# Allegro board LED_FIN.brd (continued)
## Routing (per net, layer and track width the routed paths; a pad name or vN(x,y) marks a point on that pad's centre or on a via; arc(x,y) is an arc through that point) (continued)
COL_OUT_A50: length 259.4
  TOP w0.15: D2290.1 v1(177.25,392.8) ; D3310.1 v1(177.25,324.8) ; D2470.1 v1(177.25,380.8) ; D2710.1 v1(177.25,364.8) ; D3190.1 v1(177.25,332.8) ; D2410.1 v1(177.25,384.8) ; D2530.1 v1(177.25,376.8) ; D3280.1 v1(177.25,326.8) ; D2440.1 v1(177.25,382.8) ; D3340.1 v1(177.25,322.8) ; D2980.1 v1(177.25,346.8) ; D3100.1 v1(177.25,338.8) ; v1(175.95,161.1) R70.1 ; D2920.1 v1(177.25,350.8) ; D2320.1 v1(177.25,390.8) ; D3130.1 v1(177.25,336.8) ; D2590.1 v1(177.25,372.8) ; D3250.1 v1(177.25,328.8) ; D2380.1 v1(177.25,386.8) ; D2650.1 v1(177.25,368.8) ; D3400.1 v1(177.25,318.8) ; D3160.1 v1(177.25,334.8) ; D2350.1 v1(177.25,388.8) ; D3040.1 v1(177.25,342.8) ; D2830.1 v1(177.25,356.8) ; D2500.1 v1(177.25,378.8) ; D2620.1 v1(177.25,370.8) ; D2860.1 v1(177.25,354.8) ; D3010.1 v1(177.25,344.8) ; D2800.1 v1(177.25,358.8) ; D3370.1 v1(177.25,320.8) ; D3220.1 v1(177.25,330.8) ; D2680.1 v1(177.25,366.8) ; D2950.1 v1(177.25,348.8) ; D2770.1 v1(177.25,360.8) ; D2560.1 v1(177.25,374.8) ; D2740.1 v1(177.25,362.8) ; D2890.1 v1(177.25,352.8) ; D3070.1 v1(177.25,340.8)
  BOTTOM w0.15: v1(175.95,161.1) 175.95,317.5 v1(177.25,318.8) v1(177.25,320.8) v1(177.25,322.8) v1(177.25,324.8) v1(177.25,326.8) v1(177.25,328.8) v1(177.25,330.8) v1(177.25,332.8) v1(177.25,334.8) v1(177.25,336.8) v1(177.25,338.8) v1(177.25,340.8) v1(177.25,342.8) v1(177.25,344.8) v1(177.25,346.8) v1(177.25,348.8) v1(177.25,350.8) v1(177.25,352.8) v1(177.25,354.8) v1(177.25,356.8) v1(177.25,358.8) v1(177.25,360.8) v1(177.25,362.8) v1(177.25,364.8) v1(177.25,366.8) v1(177.25,368.8) v1(177.25,370.8) v1(177.25,372.8) v1(177.25,374.8) v1(177.25,376.8) v1(177.25,378.8) v1(177.25,380.8) v1(177.25,382.8) v1(177.25,384.8) v1(177.25,386.8) v1(177.25,388.8) v1(177.25,390.8) v1(177.25,392.8)
COL_OUT_A51: length 259.4
  TOP w0.15: D2559.1 v1(175.25,374.8) ; D2439.1 v1(175.25,382.8) ; D3159.1 v1(175.25,334.8) ; D2619.1 v1(175.25,370.8) ; D2319.1 v1(175.25,390.8) ; D2409.1 v1(175.25,384.8) ; D2349.1 v1(175.25,388.8) ; D3189.1 v1(175.25,332.8) ; D3249.1 v1(175.25,328.8) ; D2829.1 v1(175.25,356.8) ; D3309.1 v1(175.25,324.8) ; D2979.1 v1(175.25,346.8) ; v1(173.95,161.1) R69.1 ; D2589.1 v1(175.25,372.8) ; D2649.1 v1(175.25,368.8) ; D2469.1 v1(175.25,380.8) ; D2949.1 v1(175.25,348.8) ; D2769.1 v1(175.25,360.8) ; D2289.1 v1(175.25,392.8) ; D3339.1 v1(175.25,322.8) ; D3369.1 v1(175.25,320.8) ; D3009.1 v1(175.25,344.8) ; D2379.1 v1(175.25,386.8) ; D2799.1 v1(175.25,358.8) ; D3129.1 v1(175.25,336.8) ; D2859.1 v1(175.25,354.8) ; D2529.1 v1(175.25,376.8) ; D3069.1 v1(175.25,340.8) ; D2919.1 v1(175.25,350.8) ; D2889.1 v1(175.25,352.8) ; D2499.1 v1(175.25,378.8) ; D3279.1 v1(175.25,326.8) ; D3219.1 v1(175.25,330.8) ; D3039.1 v1(175.25,342.8) ; D2679.1 v1(175.25,366.8) ; D3099.1 v1(175.25,338.8) ; D2739.1 v1(175.25,362.8) ; D2709.1 v1(175.25,364.8) ; D3399.1 v1(175.25,318.8)
  BOTTOM w0.15: v1(173.95,161.1) 173.95,317.5 v1(175.25,318.8) v1(175.25,320.8) v1(175.25,322.8) v1(175.25,324.8) v1(175.25,326.8) v1(175.25,328.8) v1(175.25,330.8) v1(175.25,332.8) v1(175.25,334.8) v1(175.25,336.8) v1(175.25,338.8) v1(175.25,340.8) v1(175.25,342.8) v1(175.25,344.8) v1(175.25,346.8) v1(175.25,348.8) v1(175.25,350.8) v1(175.25,352.8) v1(175.25,354.8) v1(175.25,356.8) v1(175.25,358.8) v1(175.25,360.8) v1(175.25,362.8) v1(175.25,364.8) v1(175.25,366.8) v1(175.25,368.8) v1(175.25,370.8) v1(175.25,372.8) v1(175.25,374.8) v1(175.25,376.8) v1(175.25,378.8) v1(175.25,380.8) v1(175.25,382.8) v1(175.25,384.8) v1(175.25,386.8) v1(175.25,388.8) v1(175.25,390.8) v1(175.25,392.8)
COL_OUT_A52: length 259.4
  TOP w0.15: D3398.1 v1(173.25,318.8) ; D2438.1 v1(173.25,382.8) ; D2318.1 v1(173.25,390.8) ; D3068.1 v1(173.25,340.8) ; D2528.1 v1(173.25,376.8) ; D3008.1 v1(173.25,344.8) ; D3218.1 v1(173.25,330.8) ; D2678.1 v1(173.25,366.8) ; v1(171.95,161.1) R68.1 ; D2738.1 v1(173.25,362.8) ; D3368.1 v1(173.25,320.8) ; D2618.1 v1(173.25,370.8) ; D3038.1 v1(173.25,342.8) ; D3158.1 v1(173.25,334.8) ; D2918.1 v1(173.25,350.8) ; D2558.1 v1(173.25,374.8) ; D2408.1 v1(173.25,384.8) ; D3248.1 v1(173.25,328.8) ; D2828.1 v1(173.25,356.8) ; D2858.1 v1(173.25,354.8) ; D3098.1 v1(173.25,338.8) ; D2888.1 v1(173.25,352.8) ; D2378.1 v1(173.25,386.8) ; D2468.1 v1(173.25,380.8) ; D3278.1 v1(173.25,326.8) ; D3188.1 v1(173.25,332.8) ; D3308.1 v1(173.25,324.8) ; D2348.1 v1(173.25,388.8) ; D2798.1 v1(173.25,358.8) ; D2768.1 v1(173.25,360.8) ; D2708.1 v1(173.25,364.8) ; D3128.1 v1(173.25,336.8) ; D2948.1 v1(173.25,348.8) ; D3338.1 v1(173.25,322.8) ; D2588.1 v1(173.25,372.8) ; D2288.1 v1(173.25,392.8) ; D2498.1 v1(173.25,378.8) ; D2978.1 v1(173.25,346.8) ; D2648.1 v1(173.25,368.8)
  BOTTOM w0.15: v1(173.25,392.8) v1(173.25,390.8) v1(173.25,388.8) v1(173.25,386.8) v1(173.25,384.8) v1(173.25,382.8) v1(173.25,380.8) v1(173.25,378.8) v1(173.25,376.8) v1(173.25,374.8) v1(173.25,372.8) v1(173.25,370.8) v1(173.25,368.8) v1(173.25,366.8) v1(173.25,364.8) v1(173.25,362.8) v1(173.25,360.8) v1(173.25,358.8) v1(173.25,356.8) v1(173.25,354.8) v1(173.25,352.8) v1(173.25,350.8) v1(173.25,348.8) v1(173.25,346.8) v1(173.25,344.8) v1(173.25,342.8) v1(173.25,340.8) v1(173.25,338.8) v1(173.25,336.8) v1(173.25,334.8) v1(173.25,332.8) v1(173.25,330.8) v1(173.25,328.8) v1(173.25,326.8) v1(173.25,324.8) v1(173.25,322.8) v1(173.25,320.8) v1(173.25,318.8) 171.95,317.5 v1(171.95,161.1)
COL_OUT_A53: length 259.4
  TOP w0.15: D2707.1 v1(171.25,364.8) ; D3247.1 v1(171.25,328.8) ; D2347.1 v1(171.25,388.8) ; D2377.1 v1(171.25,386.8) ; D2287.1 v1(171.25,392.8) ; D2407.1 v1(171.25,384.8) ; D2527.1 v1(171.25,376.8) ; D2857.1 v1(171.25,354.8) ; v1(169.95,161.1) R67.1 ; D3307.1 v1(171.25,324.8) ; D3397.1 v1(171.25,318.8) ; D2647.1 v1(171.25,368.8) ; D2467.1 v1(171.25,380.8) ; D2947.1 v1(171.25,348.8) ; D3007.1 v1(171.25,344.8) ; D2497.1 v1(171.25,378.8) ; D2797.1 v1(171.25,358.8) ; D3037.1 v1(171.25,342.8) ; D3187.1 v1(171.25,332.8) ; D3367.1 v1(171.25,320.8) ; D3127.1 v1(171.25,336.8) ; D2437.1 v1(171.25,382.8) ; D3157.1 v1(171.25,334.8) ; D2737.1 v1(171.25,362.8) ; D2557.1 v1(171.25,374.8) ; D2977.1 v1(171.25,346.8) ; D2917.1 v1(171.25,350.8) ; D3067.1 v1(171.25,340.8) ; D2767.1 v1(171.25,360.8) ; D2677.1 v1(171.25,366.8) ; D2887.1 v1(171.25,352.8) ; D3217.1 v1(171.25,330.8) ; D2827.1 v1(171.25,356.8) ; D2617.1 v1(171.25,370.8) ; D2587.1 v1(171.25,372.8) ; D2317.1 v1(171.25,390.8) ; D3097.1 v1(171.25,338.8) ; D3277.1 v1(171.25,326.8) ; D3337.1 v1(171.25,322.8)
  BOTTOM w0.15: v1(169.95,161.1) 169.95,317.5 v1(171.25,318.8) v1(171.25,320.8) v1(171.25,322.8) v1(171.25,324.8) v1(171.25,326.8) v1(171.25,328.8) v1(171.25,330.8) v1(171.25,332.8) v1(171.25,334.8) v1(171.25,336.8) v1(171.25,338.8) v1(171.25,340.8) v1(171.25,342.8) v1(171.25,344.8) v1(171.25,346.8) v1(171.25,348.8) v1(171.25,350.8) v1(171.25,352.8) v1(171.25,354.8) v1(171.25,356.8) v1(171.25,358.8) v1(171.25,360.8) v1(171.25,362.8) v1(171.25,364.8) v1(171.25,366.8) v1(171.25,368.8) v1(171.25,370.8) v1(171.25,372.8) v1(171.25,374.8) v1(171.25,376.8) v1(171.25,378.8) v1(171.25,380.8) v1(171.25,382.8) v1(171.25,384.8) v1(171.25,386.8) v1(171.25,388.8) v1(171.25,390.8) v1(171.25,392.8)
COL_OUT_A54: length 259.4
  TOP w0.15: D2946.1 v1(169.25,348.8) ; D2826.1 v1(169.25,356.8) ; D3306.1 v1(169.25,324.8) ; D2856.1 v1(169.25,354.8) ; D2916.1 v1(169.25,350.8) ; D2316.1 v1(169.25,390.8) ; D2526.1 v1(169.25,376.8) ; D2346.1 v1(169.25,388.8) ; D3006.1 v1(169.25,344.8) ; D2766.1 v1(169.25,360.8) ; D3186.1 v1(169.25,332.8) ; D3216.1 v1(169.25,330.8) ; D3336.1 v1(169.25,322.8) ; D3246.1 v1(169.25,328.8) ; D3396.1 v1(169.25,318.8) ; D2646.1 v1(169.25,368.8) ; D2886.1 v1(169.25,352.8) ; D2796.1 v1(169.25,358.8) ; D2676.1 v1(169.25,366.8) ; D3066.1 v1(169.25,340.8) ; D2976.1 v1(169.25,346.8) ; D3126.1 v1(169.25,336.8) ; D2586.1 v1(169.25,372.8) ; D2706.1 v1(169.25,364.8) ; D2286.1 v1(169.25,392.8) ; D2406.1 v1(169.25,384.8) ; D2556.1 v1(169.25,374.8) ; D3276.1 v1(169.25,326.8) ; v1(167.95,161.1) R66.1 ; D2496.1 v1(169.25,378.8) ; D3366.1 v1(169.25,320.8) ; D2436.1 v1(169.25,382.8) ; D2466.1 v1(169.25,380.8) ; D3096.1 v1(169.25,338.8) ; D2616.1 v1(169.25,370.8) ; D2736.1 v1(169.25,362.8) ; D2376.1 v1(169.25,386.8) ; D3036.1 v1(169.25,342.8) ; D3156.1 v1(169.25,334.8)
  BOTTOM w0.15: v1(169.25,392.8) v1(169.25,390.8) v1(169.25,388.8) v1(169.25,386.8) v1(169.25,384.8) v1(169.25,382.8) v1(169.25,380.8) v1(169.25,378.8) v1(169.25,376.8) v1(169.25,374.8) v1(169.25,372.8) v1(169.25,370.8) v1(169.25,368.8) v1(169.25,366.8) v1(169.25,364.8) v1(169.25,362.8) v1(169.25,360.8) v1(169.25,358.8) v1(169.25,356.8) v1(169.25,354.8) v1(169.25,352.8) v1(169.25,350.8) v1(169.25,348.8) v1(169.25,346.8) v1(169.25,344.8) v1(169.25,342.8) v1(169.25,340.8) v1(169.25,338.8) v1(169.25,336.8) v1(169.25,334.8) v1(169.25,332.8) v1(169.25,330.8) v1(169.25,328.8) v1(169.25,326.8) v1(169.25,324.8) v1(169.25,322.8) v1(169.25,320.8) v1(169.25,318.8) 167.95,317.5 v1(167.95,161.1)
COL_OUT_A55: length 259.4
  TOP w0.15: D2375.1 v1(167.25,386.8) ; D2285.1 v1(167.25,392.8) ; D2765.1 v1(167.25,360.8) ; D2615.1 v1(167.25,370.8) ; D2885.1 v1(167.25,352.8) ; v1(165.95,161.1) R65.1 ; D2585.1 v1(167.25,372.8) ; D2735.1 v1(167.25,362.8) ; D2345.1 v1(167.25,388.8) ; D2855.1 v1(167.25,354.8) ; D2645.1 v1(167.25,368.8) ; D2795.1 v1(167.25,358.8) ; D2945.1 v1(167.25,348.8) ; D2525.1 v1(167.25,376.8) ; D3215.1 v1(167.25,330.8) ; D2675.1 v1(167.25,366.8) ; D2465.1 v1(167.25,380.8) ; D3305.1 v1(167.25,324.8) ; D3095.1 v1(167.25,338.8) ; D3125.1 v1(167.25,336.8) ; D2495.1 v1(167.25,378.8) ; D3065.1 v1(167.25,340.8) ; D3395.1 v1(167.25,318.8) ; D3365.1 v1(167.25,320.8) ; D2555.1 v1(167.25,374.8) ; D2825.1 v1(167.25,356.8) ; D2975.1 v1(167.25,346.8) ; D3245.1 v1(167.25,328.8) ; D3275.1 v1(167.25,326.8) ; D3035.1 v1(167.25,342.8) ; D2705.1 v1(167.25,364.8) ; D3005.1 v1(167.25,344.8) ; D2915.1 v1(167.25,350.8) ; D2315.1 v1(167.25,390.8) ; D2435.1 v1(167.25,382.8) ; D2405.1 v1(167.25,384.8) ; D3155.1 v1(167.25,334.8) ; D3335.1 v1(167.25,322.8) ; D3185.1 v1(167.25,332.8)
  BOTTOM w0.15: v1(167.25,392.8) v1(167.25,390.8) v1(167.25,388.8) v1(167.25,386.8) v1(167.25,384.8) v1(167.25,382.8) v1(167.25,380.8) v1(167.25,378.8) v1(167.25,376.8) v1(167.25,374.8) v1(167.25,372.8) v1(167.25,370.8) v1(167.25,368.8) v1(167.25,366.8) v1(167.25,364.8) v1(167.25,362.8) v1(167.25,360.8) v1(167.25,358.8) v1(167.25,356.8) v1(167.25,354.8) v1(167.25,352.8) v1(167.25,350.8) v1(167.25,348.8) v1(167.25,346.8) v1(167.25,344.8) v1(167.25,342.8) v1(167.25,340.8) v1(167.25,338.8) v1(167.25,336.8) v1(167.25,334.8) v1(167.25,332.8) v1(167.25,330.8) v1(167.25,328.8) v1(167.25,326.8) v1(167.25,324.8) v1(167.25,322.8) v1(167.25,320.8) v1(167.25,318.8) 165.95,317.5 v1(165.95,161.1)
COL_OUT_A56: length 259.4
  TOP w0.15: D2314.1 v1(165.25,390.8) ; D3154.1 v1(165.25,334.8) ; D3034.1 v1(165.25,342.8) ; D3274.1 v1(165.25,326.8) ; D2794.1 v1(165.25,358.8) ; D2884.1 v1(165.25,352.8) ; D2944.1 v1(165.25,348.8) ; D2734.1 v1(165.25,362.8) ; D3064.1 v1(165.25,340.8) ; D2704.1 v1(165.25,364.8) ; D3394.1 v1(165.25,318.8) ; D3334.1 v1(165.25,322.8) ; D3184.1 v1(165.25,332.8) ; D3214.1 v1(165.25,330.8) ; D2554.1 v1(165.25,374.8) ; D2674.1 v1(165.25,366.8) ; D2404.1 v1(165.25,384.8) ; D3244.1 v1(165.25,328.8) ; D2914.1 v1(165.25,350.8) ; D3094.1 v1(165.25,338.8) ; D2464.1 v1(165.25,380.8) ; D2824.1 v1(165.25,356.8) ; D2974.1 v1(165.25,346.8) ; D2494.1 v1(165.25,378.8) ; D2854.1 v1(165.25,354.8) ; D2434.1 v1(165.25,382.8) ; D2374.1 v1(165.25,386.8) ; D2524.1 v1(165.25,376.8) ; D2584.1 v1(165.25,372.8) ; D3124.1 v1(165.25,336.8) ; D3004.1 v1(165.25,344.8) ; D2344.1 v1(165.25,388.8) ; D2764.1 v1(165.25,360.8) ; D3304.1 v1(165.25,324.8) ; D2284.1 v1(165.25,392.8) ; D3364.1 v1(165.25,320.8) ; D2614.1 v1(165.25,370.8) ; v1(163.95,161.1) R64.1 ; D2644.1 v1(165.25,368.8)
  BOTTOM w0.15: v1(165.25,392.8) v1(165.25,390.8) v1(165.25,388.8) v1(165.25,386.8) v1(165.25,384.8) v1(165.25,382.8) v1(165.25,380.8) v1(165.25,378.8) v1(165.25,376.8) v1(165.25,374.8) v1(165.25,372.8) v1(165.25,370.8) v1(165.25,368.8) v1(165.25,366.8) v1(165.25,364.8) v1(165.25,362.8) v1(165.25,360.8) v1(165.25,358.8) v1(165.25,356.8) v1(165.25,354.8) v1(165.25,352.8) v1(165.25,350.8) v1(165.25,348.8) v1(165.25,346.8) v1(165.25,344.8) v1(165.25,342.8) v1(165.25,340.8) v1(165.25,338.8) v1(165.25,336.8) v1(165.25,334.8) v1(165.25,332.8) v1(165.25,330.8) v1(165.25,328.8) v1(165.25,326.8) v1(165.25,324.8) v1(165.25,322.8) v1(165.25,320.8) v1(165.25,318.8) 163.95,317.5 v1(163.95,161.1)
COL_OUT_A57: length 259.4
  TOP w0.15: D2673.1 v1(163.25,366.8) ; D3303.1 v1(163.25,324.8) ; D3243.1 v1(163.25,328.8) ; D3003.1 v1(163.25,344.8) ; D2793.1 v1(163.25,358.8) ; D2583.1 v1(163.25,372.8) ; D2553.1 v1(163.25,374.8) ; D3123.1 v1(163.25,336.8) ; D2943.1 v1(163.25,348.8) ; D2463.1 v1(163.25,380.8) ; D2373.1 v1(163.25,386.8) ; D2613.1 v1(163.25,370.8) ; D3393.1 v1(163.25,318.8) ; D2433.1 v1(163.25,382.8) ; D3063.1 v1(163.25,340.8) ; D2523.1 v1(163.25,376.8) ; D2913.1 v1(163.25,350.8) ; v1(161.95,161.1) R63.1 ; D3333.1 v1(163.25,322.8) ; D2703.1 v1(163.25,364.8) ; D3033.1 v1(163.25,342.8) ; D2643.1 v1(163.25,368.8) ; D2283.1 v1(163.25,392.8) ; D2763.1 v1(163.25,360.8) ; D2403.1 v1(163.25,384.8) ; D3183.1 v1(163.25,332.8) ; D2313.1 v1(163.25,390.8) ; D2853.1 v1(163.25,354.8) ; D2493.1 v1(163.25,378.8) ; D2973.1 v1(163.25,346.8) ; D3273.1 v1(163.25,326.8) ; D3093.1 v1(163.25,338.8) ; D3213.1 v1(163.25,330.8) ; D2343.1 v1(163.25,388.8) ; D2823.1 v1(163.25,356.8) ; D3363.1 v1(163.25,320.8) ; D3153.1 v1(163.25,334.8) ; D2733.1 v1(163.25,362.8) ; D2883.1 v1(163.25,352.8)
  BOTTOM w0.15: v1(161.95,161.1) 161.95,317.5 v1(163.25,318.8) v1(163.25,320.8) v1(163.25,322.8) v1(163.25,324.8) v1(163.25,326.8) v1(163.25,328.8) v1(163.25,330.8) v1(163.25,332.8) v1(163.25,334.8) v1(163.25,336.8) v1(163.25,338.8) v1(163.25,340.8) v1(163.25,342.8) v1(163.25,344.8) v1(163.25,346.8) v1(163.25,348.8) v1(163.25,350.8) v1(163.25,352.8) v1(163.25,354.8) v1(163.25,356.8) v1(163.25,358.8) v1(163.25,360.8) v1(163.25,362.8) v1(163.25,364.8) v1(163.25,366.8) v1(163.25,368.8) v1(163.25,370.8) v1(163.25,372.8) v1(163.25,374.8) v1(163.25,376.8) v1(163.25,378.8) v1(163.25,380.8) v1(163.25,382.8) v1(163.25,384.8) v1(163.25,386.8) v1(163.25,388.8) v1(163.25,390.8) v1(163.25,392.8)
COL_OUT_A58: length 259.4
  TOP w0.15: D2912.1 v1(161.25,350.8) ; D2822.1 v1(161.25,356.8) ; D2402.1 v1(161.25,384.8) ; D2732.1 v1(161.25,362.8) ; D2762.1 v1(161.25,360.8) ; D3122.1 v1(161.25,336.8) ; D3152.1 v1(161.25,334.8) ; D3392.1 v1(161.25,318.8) ; D2342.1 v1(161.25,388.8) ; D3032.1 v1(161.25,342.8) ; v1(159.95,161.1) R62.1 ; D3242.1 v1(161.25,328.8) ; D2312.1 v1(161.25,390.8) ; D3272.1 v1(161.25,326.8) ; D2642.1 v1(161.25,368.8) ; D3302.1 v1(161.25,324.8) ; D2432.1 v1(161.25,382.8) ; D2852.1 v1(161.25,354.8) ; D2492.1 v1(161.25,378.8) ; D2672.1 v1(161.25,366.8) ; D2972.1 v1(161.25,346.8) ; D3002.1 v1(161.25,344.8) ; D2702.1 v1(161.25,364.8) ; D2372.1 v1(161.25,386.8) ; D3332.1 v1(161.25,322.8) ; D3182.1 v1(161.25,332.8) ; D2462.1 v1(161.25,380.8) ; D2522.1 v1(161.25,376.8) ; D3362.1 v1(161.25,320.8) ; D3092.1 v1(161.25,338.8) ; D3212.1 v1(161.25,330.8) ; D2282.1 v1(161.25,392.8) ; D2882.1 v1(161.25,352.8) ; D3062.1 v1(161.25,340.8) ; D2552.1 v1(161.25,374.8) ; D2582.1 v1(161.25,372.8) ; D2792.1 v1(161.25,358.8) ; D2942.1 v1(161.25,348.8) ; D2612.1 v1(161.25,370.8)
  BOTTOM w0.15: v1(159.95,161.1) 159.95,317.5 v1(161.25,318.8) v1(161.25,320.8) v1(161.25,322.8) v1(161.25,324.8) v1(161.25,326.8) v1(161.25,328.8) v1(161.25,330.8) v1(161.25,332.8) v1(161.25,334.8) v1(161.25,336.8) v1(161.25,338.8) v1(161.25,340.8) v1(161.25,342.8) v1(161.25,344.8) v1(161.25,346.8) v1(161.25,348.8) v1(161.25,350.8) v1(161.25,352.8) v1(161.25,354.8) v1(161.25,356.8) v1(161.25,358.8) v1(161.25,360.8) v1(161.25,362.8) v1(161.25,364.8) v1(161.25,366.8) v1(161.25,368.8) v1(161.25,370.8) v1(161.25,372.8) v1(161.25,374.8) v1(161.25,376.8) v1(161.25,378.8) v1(161.25,380.8) v1(161.25,382.8) v1(161.25,384.8) v1(161.25,386.8) v1(161.25,388.8) v1(161.25,390.8) v1(161.25,392.8)
COL_OUT_A59: length 259.4
  TOP w0.15: D2641.1 v1(159.25,368.8) ; D2821.1 v1(159.25,356.8) ; D2401.1 v1(159.25,384.8) ; D2731.1 v1(159.25,362.8) ; D2881.1 v1(159.25,352.8) ; D2281.1 v1(159.25,392.8) ; D3001.1 v1(159.25,344.8) ; D2341.1 v1(159.25,388.8) ; D3151.1 v1(159.25,334.8) ; D3181.1 v1(159.25,332.8) ; D3361.1 v1(159.25,320.8) ; D2461.1 v1(159.25,380.8) ; D3271.1 v1(159.25,326.8) ; D2941.1 v1(159.25,348.8) ; D3031.1 v1(159.25,342.8) ; D2581.1 v1(159.25,372.8) ; D2851.1 v1(159.25,354.8) ; D2791.1 v1(159.25,358.8) ; D2371.1 v1(159.25,386.8) ; D3301.1 v1(159.25,324.8) ; D2551.1 v1(159.25,374.8) ; D3331.1 v1(159.25,322.8) ; D3391.1 v1(159.25,318.8) ; D3241.1 v1(159.25,328.8) ; D2671.1 v1(159.25,366.8) ; D2911.1 v1(159.25,350.8) ; D2701.1 v1(159.25,364.8) ; D3121.1 v1(159.25,336.8) ; D2611.1 v1(159.25,370.8) ; v1(157.95,161.1) R61.1 ; D3061.1 v1(159.25,340.8) ; D2761.1 v1(159.25,360.8) ; D2971.1 v1(159.25,346.8) ; D2311.1 v1(159.25,390.8) ; D2431.1 v1(159.25,382.8) ; D2521.1 v1(159.25,376.8) ; D3091.1 v1(159.25,338.8) ; D2491.1 v1(159.25,378.8) ; D3211.1 v1(159.25,330.8)
  BOTTOM w0.15: v1(157.95,161.1) 157.95,317.5 v1(159.25,318.8) v1(159.25,320.8) v1(159.25,322.8) v1(159.25,324.8) v1(159.25,326.8) v1(159.25,328.8) v1(159.25,330.8) v1(159.25,332.8) v1(159.25,334.8) v1(159.25,336.8) v1(159.25,338.8) v1(159.25,340.8) v1(159.25,342.8) v1(159.25,344.8) v1(159.25,346.8) v1(159.25,348.8) v1(159.25,350.8) v1(159.25,352.8) v1(159.25,354.8) v1(159.25,356.8) v1(159.25,358.8) v1(159.25,360.8) v1(159.25,362.8) v1(159.25,364.8) v1(159.25,366.8) v1(159.25,368.8) v1(159.25,370.8) v1(159.25,372.8) v1(159.25,374.8) v1(159.25,376.8) v1(159.25,378.8) v1(159.25,380.8) v1(159.25,382.8) v1(159.25,384.8) v1(159.25,386.8) v1(159.25,388.8) v1(159.25,390.8) v1(159.25,392.8)
COL_OUT_A60: length 259.4
  TOP w0.15: D1710.1 v1(157.25,356.8) ; v1(155.95,161.1) R60.1 ; D1200.1 v1(157.25,390.8) ; D1290.1 v1(157.25,384.8) ; D1950.1 v1(157.25,340.8) ; D2010.1 v1(157.25,336.8) ; D2160.1 v1(157.25,326.8) ; D1350.1 v1(157.25,380.8) ; D2100.1 v1(157.25,330.8) ; D1500.1 v1(157.25,370.8) ; D1260.1 v1(157.25,386.8) ; D1800.1 v1(157.25,350.8) ; D1620.1 v1(157.25,362.8) ; D1830.1 v1(157.25,348.8) ; D2070.1 v1(157.25,332.8) ; D1230.1 v1(157.25,388.8) ; D1320.1 v1(157.25,382.8) ; D2250.1 v1(157.25,320.8) ; D1680.1 v1(157.25,358.8) ; D1890.1 v1(157.25,344.8) ; D1860.1 v1(157.25,346.8) ; D1740.1 v1(157.25,354.8) ; D2220.1 v1(157.25,322.8) ; D2040.1 v1(157.25,334.8) ; D1980.1 v1(157.25,338.8) ; D1770.1 v1(157.25,352.8) ; D1470.1 v1(157.25,372.8) ; D1920.1 v1(157.25,342.8) ; D1650.1 v1(157.25,360.8) ; D1590.1 v1(157.25,364.8) ; D1440.1 v1(157.25,374.8) ; D1170.1 v1(157.25,392.8) ; D2130.1 v1(157.25,328.8) ; D2190.1 v1(157.25,324.8) ; D2280.1 v1(157.25,318.8) ; D1530.1 v1(157.25,368.8) ; D1380.1 v1(157.25,378.8) ; D1410.1 v1(157.25,376.8) ; D1560.1 v1(157.25,366.8)
  BOTTOM w0.15: v1(157.25,392.8) v1(157.25,390.8) v1(157.25,388.8) v1(157.25,386.8) v1(157.25,384.8) v1(157.25,382.8) v1(157.25,380.8) v1(157.25,378.8) v1(157.25,376.8) v1(157.25,374.8) v1(157.25,372.8) v1(157.25,370.8) v1(157.25,368.8) v1(157.25,366.8) v1(157.25,364.8) v1(157.25,362.8) v1(157.25,360.8) v1(157.25,358.8) v1(157.25,356.8) v1(157.25,354.8) v1(157.25,352.8) v1(157.25,350.8) v1(157.25,348.8) v1(157.25,346.8) v1(157.25,344.8) v1(157.25,342.8) v1(157.25,340.8) v1(157.25,338.8) v1(157.25,336.8) v1(157.25,334.8) v1(157.25,332.8) v1(157.25,330.8) v1(157.25,328.8) v1(157.25,326.8) v1(157.25,324.8) v1(157.25,322.8) v1(157.25,320.8) v1(157.25,318.8) 155.95,317.5 v1(155.95,161.1)
COL_OUT_A61: length 259.4
  TOP w0.15: D1619.1 v1(155.25,362.8) ; D1949.1 v1(155.25,340.8) ; D1589.1 v1(155.25,364.8) ; D2279.1 v1(155.25,318.8) ; D1409.1 v1(155.25,376.8) ; D2159.1 v1(155.25,326.8) ; D2189.1 v1(155.25,324.8) ; D2249.1 v1(155.25,320.8) ; D1379.1 v1(155.25,378.8) ; D1439.1 v1(155.25,374.8) ; D2219.1 v1(155.25,322.8) ; D1319.1 v1(155.25,382.8) ; D1739.1 v1(155.25,354.8) ; D1799.1 v1(155.25,350.8) ; D1889.1 v1(155.25,344.8) ; D1349.1 v1(155.25,380.8) ; D1679.1 v1(155.25,358.8) ; D1829.1 v1(155.25,348.8) ; D1919.1 v1(155.25,342.8) ; D1649.1 v1(155.25,360.8) ; D1499.1 v1(155.25,370.8) ; D2039.1 v1(155.25,334.8) ; D1169.1 v1(155.25,392.8) ; D1769.1 v1(155.25,352.8) ; D1289.1 v1(155.25,384.8) ; D1859.1 v1(155.25,346.8) ; D1529.1 v1(155.25,368.8) ; D2129.1 v1(155.25,328.8) ; D1199.1 v1(155.25,390.8) ; D1559.1 v1(155.25,366.8) ; D1979.1 v1(155.25,338.8) ; D1259.1 v1(155.25,386.8) ; D1709.1 v1(155.25,356.8) ; v1(153.95,161.1) R59.1 ; D2069.1 v1(155.25,332.8) ; D2009.1 v1(155.25,336.8) ; D2099.1 v1(155.25,330.8) ; D1469.1 v1(155.25,372.8) ; D1229.1 v1(155.25,388.8)
  BOTTOM w0.15: v1(153.95,161.1) 153.95,317.5 v1(155.25,318.8) v1(155.25,320.8) v1(155.25,322.8) v1(155.25,324.8) v1(155.25,326.8) v1(155.25,328.8) v1(155.25,330.8) v1(155.25,332.8) v1(155.25,334.8) v1(155.25,336.8) v1(155.25,338.8) v1(155.25,340.8) v1(155.25,342.8) v1(155.25,344.8) v1(155.25,346.8) v1(155.25,348.8) v1(155.25,350.8) v1(155.25,352.8) v1(155.25,354.8) v1(155.25,356.8) v1(155.25,358.8) v1(155.25,360.8) v1(155.25,362.8) v1(155.25,364.8) v1(155.25,366.8) v1(155.25,368.8) v1(155.25,370.8) v1(155.25,372.8) v1(155.25,374.8) v1(155.25,376.8) v1(155.25,378.8) v1(155.25,380.8) v1(155.25,382.8) v1(155.25,384.8) v1(155.25,386.8) v1(155.25,388.8) v1(155.25,390.8) v1(155.25,392.8)
COL_OUT_A62: length 259.4
  TOP w0.15: D2188.1 v1(153.25,324.8) ; D1168.1 v1(153.25,392.8) ; D1378.1 v1(153.25,378.8) ; D1348.1 v1(153.25,380.8) ; D1648.1 v1(153.25,360.8) ; v1(151.95,161.1) R58.1 ; D1528.1 v1(153.25,368.8) ; D1558.1 v1(153.25,366.8) ; D1948.1 v1(153.25,340.8) ; D2248.1 v1(153.25,320.8) ; D1978.1 v1(153.25,338.8) ; D1828.1 v1(153.25,348.8) ; D1498.1 v1(153.25,370.8) ; D1738.1 v1(153.25,354.8) ; D1438.1 v1(153.25,374.8) ; D2098.1 v1(153.25,330.8) ; D1798.1 v1(153.25,350.8) ; D2278.1 v1(153.25,318.8) ; D2068.1 v1(153.25,332.8) ; D1258.1 v1(153.25,386.8) ; D1678.1 v1(153.25,358.8) ; D2218.1 v1(153.25,322.8) ; D1708.1 v1(153.25,356.8) ; D2158.1 v1(153.25,326.8) ; D1588.1 v1(153.25,364.8) ; D1408.1 v1(153.25,376.8) ; D1468.1 v1(153.25,372.8) ; D1318.1 v1(153.25,382.8) ; D1858.1 v1(153.25,346.8) ; D2008.1 v1(153.25,336.8) ; D1918.1 v1(153.25,342.8) ; D1618.1 v1(153.25,362.8) ; D1768.1 v1(153.25,352.8) ; D1888.1 v1(153.25,344.8) ; D1198.1 v1(153.25,390.8) ; D2038.1 v1(153.25,334.8) ; D1228.1 v1(153.25,388.8) ; D1288.1 v1(153.25,384.8) ; D2128.1 v1(153.25,328.8)
  BOTTOM w0.15: v1(153.25,392.8) v1(153.25,390.8) v1(153.25,388.8) v1(153.25,386.8) v1(153.25,384.8) v1(153.25,382.8) v1(153.25,380.8) v1(153.25,378.8) v1(153.25,376.8) v1(153.25,374.8) v1(153.25,372.8) v1(153.25,370.8) v1(153.25,368.8) v1(153.25,366.8) v1(153.25,364.8) v1(153.25,362.8) v1(153.25,360.8) v1(153.25,358.8) v1(153.25,356.8) v1(153.25,354.8) v1(153.25,352.8) v1(153.25,350.8) v1(153.25,348.8) v1(153.25,346.8) v1(153.25,344.8) v1(153.25,342.8) v1(153.25,340.8) v1(153.25,338.8) v1(153.25,336.8) v1(153.25,334.8) v1(153.25,332.8) v1(153.25,330.8) v1(153.25,328.8) v1(153.25,326.8) v1(153.25,324.8) v1(153.25,322.8) v1(153.25,320.8) v1(153.25,318.8) 151.95,317.5 v1(151.95,161.1)
COL_OUT_A63: length 259.4
  TOP w0.15: D1617.1 v1(151.25,362.8) ; v1(149.95,161.1) R57.1 ; D1737.1 v1(151.25,354.8) ; D1287.1 v1(151.25,384.8) ; D1917.1 v1(151.25,342.8) ; D2277.1 v1(151.25,318.8) ; D1827.1 v1(151.25,348.8) ; D1977.1 v1(151.25,338.8) ; D2007.1 v1(151.25,336.8) ; D1947.1 v1(151.25,340.8) ; D1407.1 v1(151.25,376.8) ; D1647.1 v1(151.25,360.8) ; D2157.1 v1(151.25,326.8) ; D1707.1 v1(151.25,356.8) ; D1587.1 v1(151.25,364.8) ; D1527.1 v1(151.25,368.8) ; D1887.1 v1(151.25,344.8) ; D2097.1 v1(151.25,330.8) ; D1167.1 v1(151.25,392.8) ; D1437.1 v1(151.25,374.8) ; D2037.1 v1(151.25,334.8) ; D2067.1 v1(151.25,332.8) ; D1677.1 v1(151.25,358.8) ; D1797.1 v1(151.25,350.8) ; D1497.1 v1(151.25,370.8) ; D1767.1 v1(151.25,352.8) ; D2217.1 v1(151.25,322.8) ; D1347.1 v1(151.25,380.8) ; D1197.1 v1(151.25,390.8) ; D1317.1 v1(151.25,382.8) ; D2127.1 v1(151.25,328.8) ; D1257.1 v1(151.25,386.8) ; D1857.1 v1(151.25,346.8) ; D1377.1 v1(151.25,378.8) ; D1227.1 v1(151.25,388.8) ; D1557.1 v1(151.25,366.8) ; D2187.1 v1(151.25,324.8) ; D2247.1 v1(151.25,320.8) ; D1467.1 v1(151.25,372.8)
  BOTTOM w0.15: v1(151.25,392.8) v1(151.25,390.8) v1(151.25,388.8) v1(151.25,386.8) v1(151.25,384.8) v1(151.25,382.8) v1(151.25,380.8) v1(151.25,378.8) v1(151.25,376.8) v1(151.25,374.8) v1(151.25,372.8) v1(151.25,370.8) v1(151.25,368.8) v1(151.25,366.8) v1(151.25,364.8) v1(151.25,362.8) v1(151.25,360.8) v1(151.25,358.8) v1(151.25,356.8) v1(151.25,354.8) v1(151.25,352.8) v1(151.25,350.8) v1(151.25,348.8) v1(151.25,346.8) v1(151.25,344.8) v1(151.25,342.8) v1(151.25,340.8) v1(151.25,338.8) v1(151.25,336.8) v1(151.25,334.8) v1(151.25,332.8) v1(151.25,330.8) v1(151.25,328.8) v1(151.25,326.8) v1(151.25,324.8) v1(151.25,322.8) v1(151.25,320.8) v1(151.25,318.8) 149.95,317.5 v1(149.95,161.1)
